# Altium PCB BaseBoard.PcbDoc (part 2 of 2)
Units mm, origin at the board's own origin, x right, y up, seen from the top; angles counter-clockwise.
Board outline 100 x 99.75 mm, 2 copper layers (Top Layer, Bottom Layer), stack 1.57 mm thick; 86 components, 105 nets, 319 pads, 782 vias.
Unrouted connection lines stored in the file: 3.
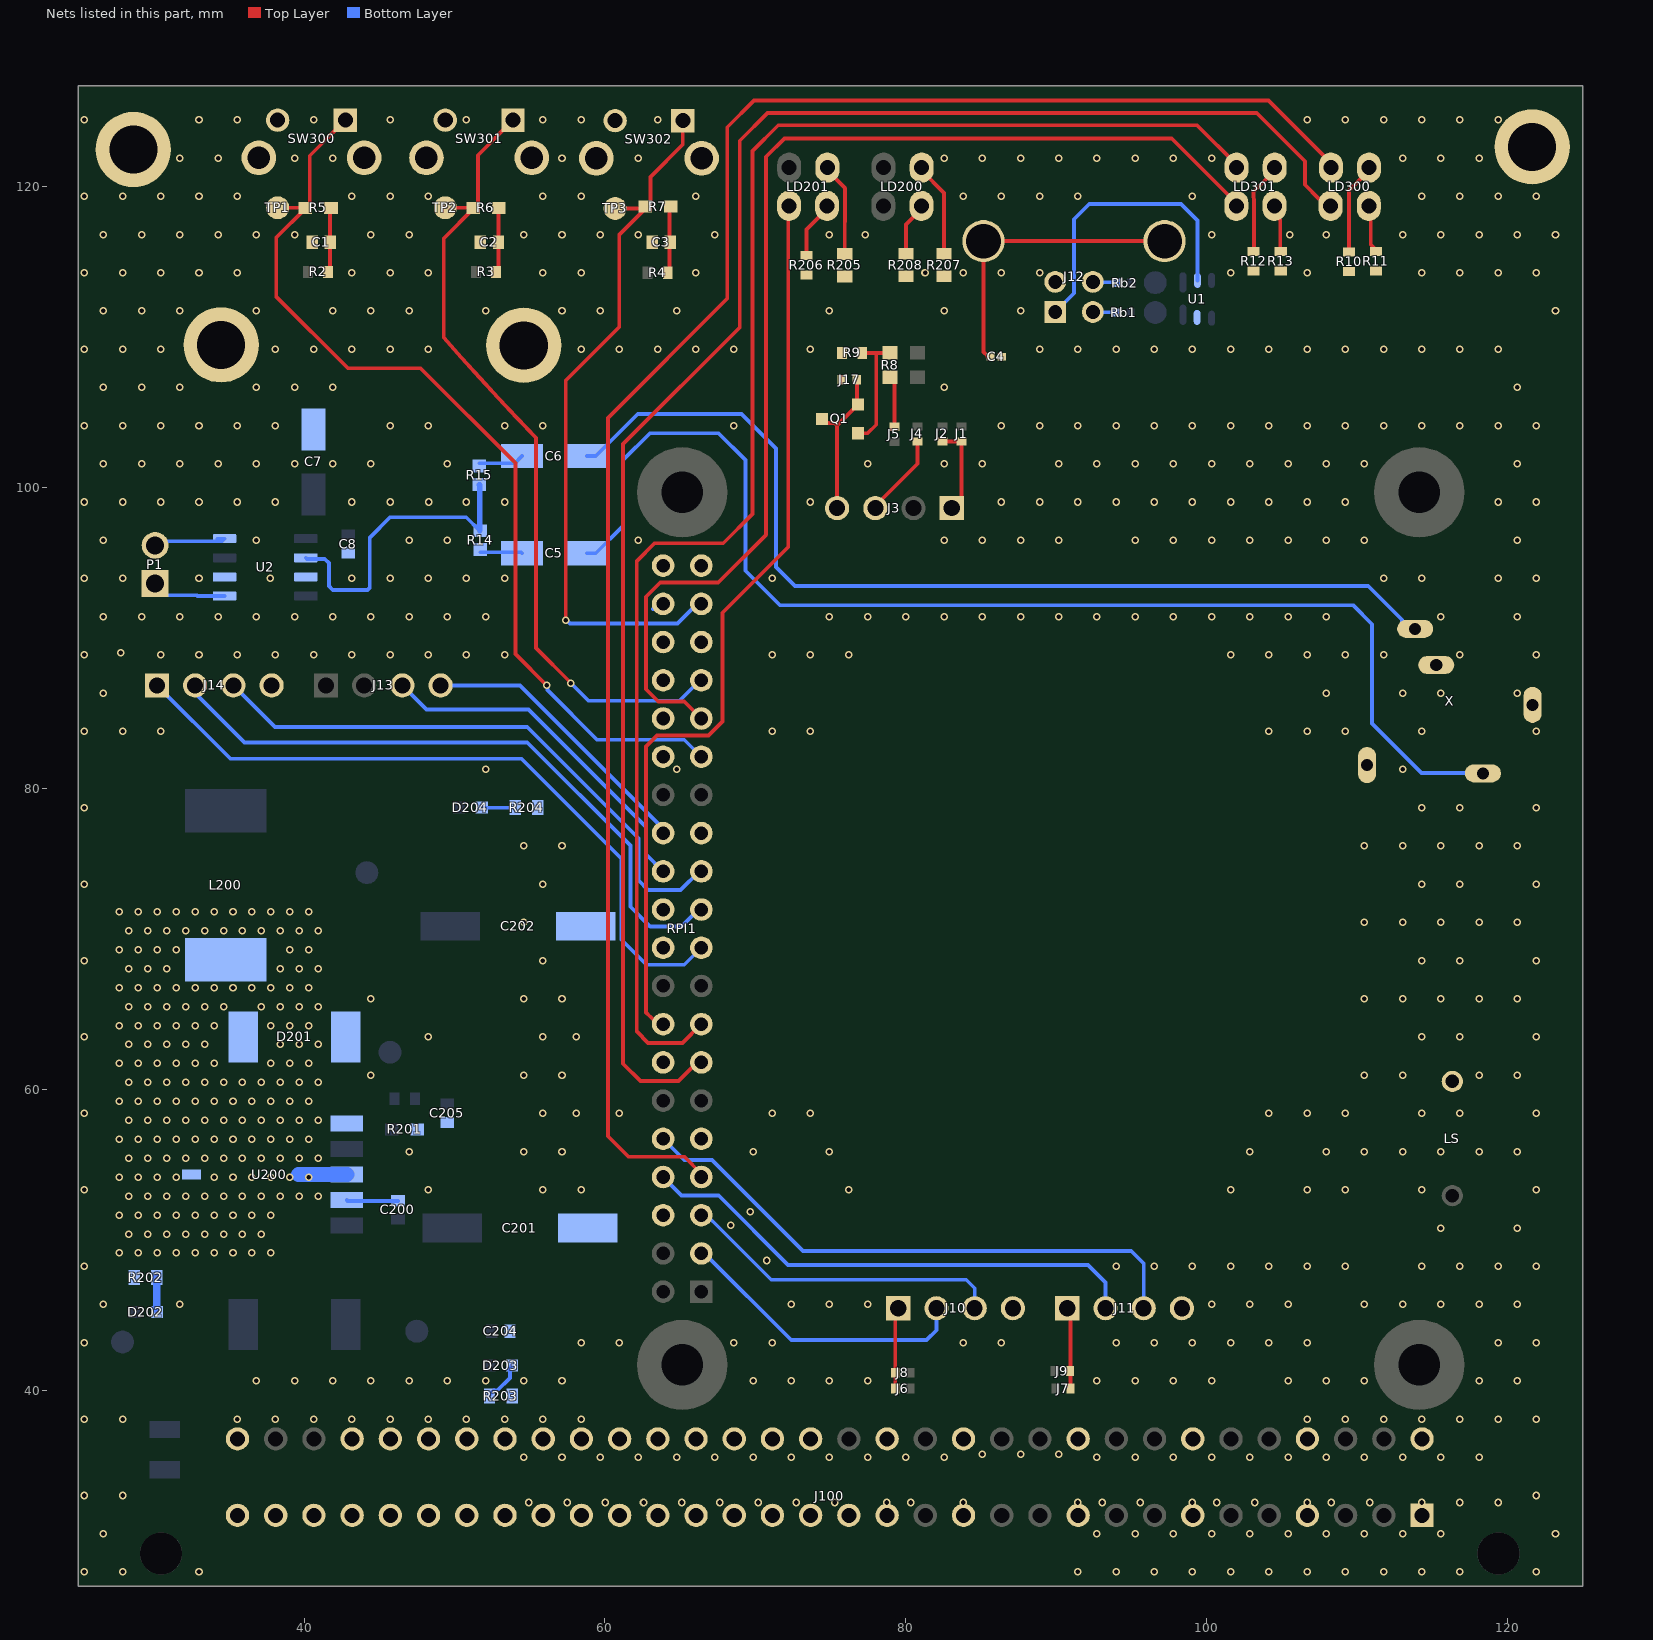
[diagram p2: the nets of this part, all layers, seen from the top]

## Via types
v1: diameter 0.5, hole 0.3, Top Layer to Bottom Layer, tented both sides, 782 vias

## Nets (pads, with @x,y where several pads share a name; then routed paths per layer and width w, separated by ;. In a path a pad name is that pad's centre, name@x,y a point inside that pad or via, vN(x,y) a via of type N, cw(c..) or ccw(c..) an arc to the next point about the centre after c; other vN are vias at no path point) (continued)
GND: C1.2 C2.2 C3.2 C4.1 C7.1 C8.2 C201.2 C202.2 C204.2 C205.2 D201.2 J10.4 J11.4 J12.4 J14.4 J17.1 J100.A1 J100.A4 J100.A7 J100.A10 J100.A13 J100.A15 J100.A32 J100.C1 J100.C4 J100.C7 J100.C10 J100.C13 J100.C15 J100.C32 LS.N pad.7 Q1.2 R9.1 R10.1 R11.1 R12.1 R13.1 R201.1 R202.1 R203.1 R204.1 R205.1 R206.1 R207.1 R208.1 RPI1.6 RPI1.9 RPI1.14 RPI1.20 RPI1.25 RPI1.30 RPI1.34 RPI1.39 SW300.2 SW300.3 SW300.4 SW301.2 SW301.3 SW301.4 SW302.2 SW302.3 SW302.4 U1.2 U2.3 U2.6 U200.1 X.1 X.4 X.5 | length 0.2
  Top Layer w0.254: R9.1@75.613,108.966 R9.1@75.75,108.829
  other v1: 25.4,27.94 27.94,27.94 33.02,27.94 91.44,27.94 93.98,27.94 96.52,27.94 99.06,27.94 101.6,27.94 104.14,27.94 106.68,27.94 109.22,27.94 111.76,27.94 114.3,27.94 116.84,27.94 121.92,27.94 26.67,30.48 92.71,30.48 95.25,30.48 97.79,30.48 100.33,30.48 102.87,30.48 105.41,30.48 107.95,30.48 110.49,30.48 113.03,30.48 115.57,30.48 123.19,30.48 54.948,32.554 57.488,32.554 60.028,32.554 62.568,32.554 65.108,32.554 67.648,32.554 70.188,32.554 72.728,32.554 75.268,32.554 78.74,32.554 80.348,32.554 83.82,32.554 91.44,32.554 93.048,32.554 95.588,32.554 99.06,32.554 100.668,32.554 103.208,32.554 106.68,32.554 108.288,32.554 110.828,32.554 114.3,32.554 116.84,32.554 119.38,32.554 25.4,33.02 27.94,33.02 121.92,33.02 54.61,35.56 57.15,35.56 59.69,35.56 62.23,35.56 64.77,35.56 67.31,35.56 69.85,35.56 72.39,35.56 74.93,35.56 77.47,35.56 80.01,35.56 82.55,35.56 92.71,35.56 95.25,35.56 97.79,35.56 100.33,35.56 102.87,35.56 105.41,35.56 107.95,35.56 110.49,35.56 113.03,35.56 115.57,35.56 118.11,35.56 85.09,35.746 87.63,35.746 90.17,35.746 25.4,38.1 27.94,38.1 35.56,38.1 38.1,38.1 40.64,38.1 43.18,38.1 45.72,38.1 48.26,38.1 50.8,38.1 53.34,38.1 55.88,38.1 58.42,38.1 106.68,38.1 109.22,38.1 111.76,38.1 114.3,38.1 116.84,38.1 119.38,38.1 121.92,38.1 36.83,40.64 39.37,40.64 41.91,40.64 44.45,40.64 46.99,40.64 49.53,40.64 52.07,40.64 54.61,40.64 57.15,40.64 69.85,40.64 72.39,40.64 74.93,40.64 77.47,40.64 92.71,40.64 95.25,40.64 97.79,40.64 100.33,40.64 105.41,40.64 107.95,40.64 110.49,40.64 118.11,40.64 120.65,40.64 25.4,43.18 58.42,43.18 60.96,43.18 68.58,43.18 71.12,43.18 83.82,43.18 86.36,43.18 93.98,43.18 96.52,43.18 99.06,43.18 101.6,43.18 104.14,43.18 106.68,43.18 119.38,43.18 121.92,43.18 26.67,45.72 31.75,45.72 72.39,45.72 74.93,45.72 77.47,45.72 100.33,45.72 102.87,45.72 105.41,45.72 110.49,45.72 113.03,45.72 115.57,45.72 118.11,45.72 120.65,45.72 25.4,48.26 93.98,48.26 96.52,48.26 99.06,48.26 101.6,48.26 104.14,48.26 106.68,48.26 109.22,48.26 114.3,48.26 116.84,48.26 119.38,48.26 121.92,48.26 70.764,48.641 115.57,50.8 120.65,50.8 68.351,50.978 69.672,51.867 25.4,53.34 48.26,53.34 55.88,53.34 58.42,53.34 76.2,53.34 101.6,53.34 106.68,53.34 109.22,53.34 114.3,53.34 121.92,53.34 46.99,55.88 54.61,55.88 57.15,55.88 69.85,55.88 74.93,55.88 102.87,55.88 107.95,55.88 110.49,55.88 113.03,55.88 115.57,55.88 118.11,55.88 120.65,55.88 25.4,58.42 55.88,58.42 58.094,58.42 60.96,58.42 71.12,58.42 73.66,58.42 104.14,58.42 106.68,58.42 109.22,58.42 114.3,58.42 116.84,58.42 121.92,58.42 44.45,60.96 54.61,60.96 57.15,60.96 110.49,60.96 113.03,60.96 118.11,60.96 120.65,60.96 25.4,63.5 48.26,63.5 55.88,63.5 58.094,63.5 114.3,63.5 116.84,63.5 121.92,63.5 44.45,66.04 54.61,66.04 57.15,66.04 110.49,66.04 113.03,66.04 115.57,66.04 118.11,66.04 120.65,66.04 25.4,68.58 55.88,68.58 114.3,68.58 116.84,68.58 121.92,68.58 54.61,71.12 110.49,71.12 113.03,71.12 115.57,71.12 118.11,71.12 120.65,71.12 25.4,73.66 55.88,73.66 114.3,73.66 116.84,73.66 121.92,73.66 54.61,76.2 57.15,76.2 110.49,76.2 113.03,76.2 115.57,76.2 118.11,76.2 120.65,76.2 25.4,78.74 114.3,78.74 116.84,78.74 121.92,78.74 52.07,81.28 64.77,81.28 113.03,81.28 25.4,83.82 27.94,83.82 30.48,83.82 71.12,83.82 73.66,83.82 104.14,83.82 106.68,83.82 109.22,83.82 114.3,83.82 121.92,83.82 26.67,86.36 107.95,86.36 113.03,86.36 115.57,86.36 120.65,86.36 25.4,88.9 30.48,88.9 33.02,88.9 35.56,88.9 38.1,88.9 40.64,88.9 43.18,88.9 45.72,88.9 48.26,88.9 50.8,88.9 53.34,88.9 71.12,88.9 73.66,88.9 76.2,88.9 101.6,88.9 104.14,88.9 106.68,88.9 109.22,88.9 111.76,88.9 116.84,88.9 121.92,88.9 27.811,89.029 26.67,91.44 29.21,91.44 31.75,91.44 34.29,91.44 36.83,91.44 39.37,91.44 41.91,91.44 44.45,91.44 46.99,91.44 49.53,91.44 52.07,91.44 74.93,91.44 77.47,91.44 80.01,91.44 82.55,91.44 85.09,91.44 87.63,91.44 90.17,91.44 92.71,91.44 95.25,91.44 97.79,91.44 100.33,91.44 102.87,91.44 105.41,91.44 107.95,91.44 115.57,91.44 120.65,91.44 25.4,93.98 27.94,93.98 33.02,93.98 37.748,93.98 43.18,93.98 45.72,93.98 48.26,93.98 50.8,93.98 53.34,93.98 71.12,93.98 111.76,93.98 114.3,93.98 119.38,93.98 121.92,93.98 26.67,96.52 36.83,96.52 46.99,96.52 49.53,96.52 62.23,96.52 82.55,96.52 85.09,96.52 87.63,96.52 90.17,96.52 95.25,96.52 97.79,96.52 100.33,96.52 102.87,96.52 105.41,96.52 107.95,96.52 110.49,96.52 120.65,96.52 25.4,99.06 27.94,99.06 30.48,99.06 33.02,99.06 35.56,99.06 38.1,99.06 43.18,99.06 45.72,99.06 48.296,99.06 50.8,99.06 53.34,99.06 73.66,99.06 86.36,99.06 88.9,99.06 91.44,99.06 93.98,99.06 96.52,99.06 99.06,99.06 101.6,99.06 104.14,99.06 106.68,99.06 109.22,99.06 119.38,99.06 121.92,99.06 26.67,101.6 29.21,101.6 31.75,101.6 34.29,101.6 36.83,101.6 39.37,101.6 41.91,101.6 44.45,101.6 49.53,101.6 77.47,101.6 82.55,101.6 85.09,101.6 90.17,101.6 92.71,101.6 95.25,101.6 97.79,101.6 100.33,101.6 102.87,101.6 105.41,101.6 107.95,101.6 110.49,101.6 120.65,101.6 25.4,104.14 27.94,104.14 30.48,104.14 33.02,104.14 35.56,104.14 38.1,104.14 45.72,104.14 48.26,104.14 53.34,104.14 55.88,104.14 68.58,104.14 86.36,104.14 88.9,104.14 91.44,104.14 93.98,104.14 96.52,104.14 99.06,104.14 101.6,104.14 104.14,104.14 106.68,104.14 109.22,104.14 111.76,104.14 114.3,104.14 116.84,104.14 119.38,104.14 121.92,104.14 26.67,106.68 29.21,106.68 31.75,106.68 36.83,106.68 39.37,106.68 41.91,106.68 82.55,106.68 120.65,106.68 25.4,109.22 27.94,109.22 30.48,109.22 38.1,109.22 40.64,109.22 43.18,109.22 45.72,109.22 48.26,109.22 58.42,109.22 60.96,109.22 63.5,109.22 66.04,109.22 68.58,109.22 73.66,109.22 88.9,109.22 91.44,109.22 93.98,109.22 96.52,109.22 99.06,109.22 101.6,109.22 104.14,109.22 106.68,109.22 109.22,109.22 111.76,109.22 114.3,109.22 116.84,109.22 119.38,109.22 26.67,111.76 29.21,111.76 31.75,111.76 36.83,111.76 41.91,111.76 44.45,111.76 46.99,111.76 52.07,111.76 57.15,111.76 59.69,111.76 64.77,111.76 74.93,111.76 82.55,111.76 87.63,111.76 123.19,111.76 25.4,114.3 27.94,114.3 30.48,114.3 33.02,114.3 35.56,114.3 43.18,114.3 45.72,114.3 48.26,114.3 55.88,114.3 58.42,114.3 66.04,114.3 81.28,114.3 83.82,114.3 86.36,114.3 88.9,114.3 101.6,114.3 106.68,114.3 114.3,114.3 116.84,114.3 119.38,114.3 121.92,114.3 26.67,116.84 29.21,116.84 31.75,116.84 34.29,116.84 36.83,116.84 39.37,116.84 44.45,116.84 46.99,116.84 54.61,116.84 57.15,116.84 59.69,116.84 62.23,116.84 67.31,116.84 74.93,116.84 77.322,116.84 100.33,116.84 105.522,116.84 107.95,116.84 113.03,116.84 115.57,116.84 118.11,116.84 120.65,116.84 123.19,116.84 25.4,119.38 27.94,119.38 30.48,119.38 33.02,119.38 35.56,119.38 43.18,119.38 45.72,119.38 48.26,119.38 55.88,119.38 58.42,119.38 66.04,119.38 83.82,119.38 86.36,119.38 88.9,119.38 91.44,119.38 99.06,119.38 114.3,119.38 116.84,119.38 119.38,119.38 121.92,119.38 31.75,121.92 34.29,121.92 39.37,121.92 41.91,121.92 57.15,121.92 62.23,121.92 82.55,121.92 85.09,121.92 87.63,121.92 90.17,121.92 92.71,121.92 95.25,121.92 97.79,121.92 100.33,121.92 113.03,121.92 115.57,121.92 118.11,121.92 25.4,124.46 33.02,124.46 35.56,124.46 40.64,124.46 45.72,124.46 50.8,124.46 55.88,124.46 58.42,124.46 63.5,124.46 106.68,124.46 109.22,124.46 111.76,124.46 114.3,124.46 116.84,124.46 119.38,124.46
GPIO12: RPI1.32
GPIO25: RPI1.22
GPIO_L_0: J100.A16
GPIO_L_1: J100.A17
GPIO_L_2: J100.A18
GPIO_L_3: J100.A19
GPIO_L_4: J100.A20
GPIO_L_5: J100.A21
GPIO_L_6: J100.A22
GPIO_L_7: J100.A23
GPIO_L_8: J100.A24
GPIO_L_9: J100.A25
GPIO_L_10: J100.A26
GPIO_L_11: J100.A27
GPIO_L_12: J100.A28
GPIO_L_13: J100.A29
GPIO_L_14: J100.A30
GPIO_L_15: J100.A31
GPIO_R_1: J100.C17
GPIO_R_2: J100.C18
GPIO_R_3: J100.C19
GPIO_R_4: J100.C20
GPIO_R_5: J100.C21
GPIO_R_6: J100.C22
GPIO_R_7: J100.C23
GPIO_R_8: J100.C24
GPIO_R_9: J100.C25
GPIO_R_10: J100.C26
GPIO_R_11: J100.C27
GPIO_R_12: J100.C28
GPIO_R_13: J100.C29
NetC1_1: C1.1 R2.1 R5.1 | length 4.3
  Top Layer w0.254: R5.1@41.693,118.618 41.732,118.579 R2.1@41.732,114.35
NetC2_1: C2.1 R3.2 R6.1 | length 4.3
  Top Layer w0.254: R6.1@52.794,118.618 R6.1@52.848,118.564 ; R3.2@52.899,114.35 52.924,114.375 C2.1@52.924,116.332 R6.1@52.924,118.564
NetC3_1: C3.1 R4.1 R7.1 | length 4.4
  Top Layer w0.254: R4.1@64.3,114.3 64.3,116.278 C3.1@64.354,116.332 64.3,116.386 R7.1@64.3,118.618
NetC4_2: C4.2 J12.5 J12.6 | length 19.8
  Top Layer w0.254: C4.2@85.414,108.712 85.414,108.787 85.166,109.035 J12.5@85.166,116.401 J12.6@97.206,116.401
NetC5_1: C5.1 X.2 | length 83
  Bottom Layer w0.254: C5.1@58.792,95.654 59.392,95.654 61.214,97.476 61.214,101.854 62.992,103.632 67.564,103.632 69.342,101.854 69.342,94.488 71.628,92.202 109.728,92.202 110.998,90.932 110.998,84.328 114.278,81.048 X.2@118.364,81.048
NetC5_2: C5.2 R14.1 | length 2.8
  Bottom Layer w0.254: R14.1@51.713,95.72 54.426,95.72 C5.2@54.492,95.654
NetC6_1: C6.1 X.3 | length 66.8
  Bottom Layer w0.254: C6.1@58.792,102.108 59.392,102.108 62.186,104.902 69.088,104.902 71.374,102.616 71.374,94.742 72.644,93.472 110.744,93.472 112.987,91.229 112.987,91.159 113.52,90.626 X.3@113.864,90.626
NetC6_2: C6.2 R15.1 | length 3
  Bottom Layer w0.254: R15.1@51.658,101.638 54.022,101.638 C6.2@54.492,102.108
NetC200_2: C200.2 U200.4 | length 3.4
  Bottom Layer w0.254: U200.4@42.847,52.656 42.897,52.606 C200.2@46.248,52.606
NetD201_1: D201.1 L200.1 U200.3 U200.3.1 | length 3.2
  Bottom Layer w1: 39.624,54.356 U200.3@42.847,54.356
  other v1: 27.72,49.14 28.98,49.14 30.24,49.14 31.5,49.14 32.76,49.14 34.02,49.14 35.28,49.14 36.54,49.14 37.8,49.14 28.35,50.4 29.61,50.4 30.87,50.4 32.13,50.4 33.39,50.4 34.65,50.4 35.91,50.4 37.17,50.4 27.72,51.66 28.98,51.66 30.24,51.66 31.5,51.66 32.76,51.66 34.02,51.66 35.28,51.66 36.54,51.66 37.8,51.66 28.35,52.92 29.61,52.92 30.87,52.92 32.13,52.92 33.39,52.92 34.65,52.92 35.91,52.92 37.17,52.92 38.43,52.92 39.69,52.92 40.95,52.92 27.72,54.18 28.98,54.18 30.24,54.18 31.5,54.18 34.02,54.18 35.28,54.18 36.54,54.18 37.8,54.18 39.06,54.18 40.32,54.18 28.35,55.44 29.61,55.44 30.87,55.44 32.13,55.44 33.39,55.44 34.65,55.44 35.91,55.44 37.17,55.44 38.43,55.44 39.69,55.44 40.95,55.44 27.72,56.7 28.98,56.7 30.24,56.7 31.5,56.7 32.76,56.7 34.02,56.7 35.28,56.7 36.54,56.7 37.8,56.7 39.06,56.7 40.32,56.7 28.35,57.96 29.61,57.96 30.87,57.96 32.13,57.96 33.39,57.96 34.65,57.96 35.91,57.96 37.17,57.96 38.43,57.96 39.69,57.96 40.95,57.96 27.72,59.22 28.98,59.22 30.24,59.22 31.5,59.22 32.76,59.22 34.02,59.22 35.28,59.22 36.54,59.22 37.8,59.22 39.06,59.22 40.32,59.22 28.35,60.48 29.61,60.48 30.87,60.48 32.13,60.48 33.39,60.48 34.65,60.48 35.91,60.48 37.17,60.48 38.43,60.48 39.69,60.48 40.95,60.48 27.72,61.74 28.98,61.74 30.24,61.74 31.5,61.74 32.76,61.74 34.02,61.74 37.8,61.74 39.06,61.74 40.32,61.74 28.35,63 29.61,63 30.87,63 32.13,63 33.39,63 38.43,63 39.69,63 40.95,63 27.72,64.26 28.98,64.26 30.24,64.26 31.5,64.26 32.76,64.26 34.02,64.26 37.8,64.26 39.06,64.26 40.32,64.26 28.35,65.52 29.61,65.52 30.87,65.52 32.13,65.52 33.39,65.52 34.65,65.52 37.17,65.52 38.43,65.52 39.69,65.52 40.95,65.52 27.72,66.78 28.98,66.78 30.24,66.78 31.5,66.78 32.76,66.78 34.02,66.78 35.28,66.78 36.54,66.78 37.8,66.78 39.06,66.78 40.32,66.78 28.35,68.04 29.61,68.04 30.87,68.04 38.43,68.04 39.69,68.04 40.95,68.04 27.72,69.3 28.98,69.3 30.24,69.3 31.5,69.3 39.06,69.3 40.32,69.3 28.35,70.56 29.61,70.56 30.87,70.56 32.13,70.56 33.39,70.56 34.65,70.56 35.91,70.56 37.17,70.56 38.43,70.56 39.69,70.56 40.95,70.56 27.72,71.82 28.98,71.82 30.24,71.82 31.5,71.82 32.76,71.82 34.02,71.82 35.28,71.82 36.54,71.82 37.8,71.82 39.06,71.82 40.32,71.82
NetD202_1: D202.1 R202.2 | length 2.3
  Bottom Layer w0.5: D202.1@30.226,45.362 R202.2@30.226,47.694
NetD203_1: D203.1 R203.2 | length 2.8
  Bottom Layer w0.254: R203.2@52.286,39.624 52.286,39.674 52.609,39.997 52.847,39.997 53.686,40.836 53.686,41.506 D203.1@53.836,41.656
NetD204_1: D204.1 R204.2 | length 2.2
  Bottom Layer w0.254: D204.1@51.816,78.74 R204.2@53.995,78.74
NetJ1_2: J1.2 J2.2 J3.1 | length 5.8
  Top Layer w0.254: J2.2@82.441,103.082 J1.2@83.711,103.082 J3.1@83.711,98.905 ; J3.1@83.058,98.651 J3.1@83.312,98.905
NetJ3_3: J3.3 J4.2 | length 5.6
  Top Layer w0.254: J3.3@77.978,98.651 77.978,98.806 80.772,101.6 J4.2@80.772,103.082
NetJ3_4: J3.4 J17.2 Q1.3 | length 10.6
  Top Layer w0.254: Q1.3@74.422,104.58 74.695,104.307 75.277,104.307 75.438,104.146 ; J3.4@75.273,98.816 J3.4@75.438,98.651 75.438,104.146 ; J17.2@76.75,107.188 76.75,105.602 76.822,105.53 75.438,104.146
NetJ5_2: J5.2 R8.2 | length 3.4
  Top Layer w0.254: R8.2@78.968,107.366 79.248,107.086 79.248,105.14 J5.2@79.248,104.065
NetJ6_1: J6.1 J8.1 J10.1 | length 5.5
  Top Layer w0.254: J6.1@79.306,40.132 J8.1@79.306,41.186 79.306,45.27 J10.1@79.502,45.466 J10.1@79.566,45.402
NetJ7_2: J7.2 J9.2 J11.1 | length 5.4
  Top Layer w0.254: J11.1@90.736,45.466 90.954,45.249 90.954,41.186 J7.2@90.954,40.132
NetJ12_1: J12.1 U1.5 | length 19.7
  Bottom Layer w0.254: J12.1@89.936,111.691 91.186,112.941 91.186,117.856 92.202,118.872 98.298,118.872 99.39,117.78 U1.5@99.39,113.792
NetLD200_2: LD200.2 R207.2 | length 6.3
  Top Layer w0.254: LD200.2@81.06,121.286 81.06,121.086 82.55,119.596 R207.2@82.55,115.608
NetLD200_4: LD200.4 R208.2 | length 3.6
  Top Layer w0.254: R208.2@80.01,115.608 80.026,115.624 80.026,116.55 80.01,116.566 80.01,117.513 81.043,118.546 LD200.4@81.043,118.746
NetLD201_2: LD201.2 R205.2 | length 6.2
  Top Layer w0.254: LD201.2@74.787,121.286 74.787,121.086 75.952,119.922 75.952,117.686 75.946,117.68 R205.2@75.946,115.608
NetLD201_4: LD201.4 R206.2 | length 3.7
  Top Layer w0.254: R206.2@73.406,115.608 73.406,117.181 74.771,118.546 LD201.4@74.771,118.746
NetLD300_2: LD300.2 R10.2 | length 6
  Top Layer w0.254: R10.2@109.474,115.862 109.474,119.763 110.797,121.086 LD300.2@110.797,121.286
NetLD300_4: LD300.4 R11.2 | length 3.1
  Top Layer w0.254: LD300.4@110.78,118.746 110.905,118.621 110.905,116.185 111.228,115.862 R11.2@111.278,115.862
NetLD301_2: LD301.2 R12.2 | length 6.2
  Top Layer w0.254: R12.2@103.124,115.712 103.153,115.885 103.153,118.532 ccw(c101.972,118.546) 103.153,118.533 ccw(c101.972,118.546) 103.153,118.546 103.153,118.946 ccw(c101.972,118.946) 103.151,119.015 103.124,119.475 103.124,119.686 103.198,119.76 104.524,121.086 LD301.2@104.524,121.286
NetLD301_4: LD301.4 R13.2 | length 3.1
  Top Layer w0.254: LD301.4@104.508,118.746 104.508,118.182 104.891,117.799 104.891,115.885 104.914,115.862 R13.2@104.928,115.862
NetP1_1: P1.1 U2.5 | length 5
  Bottom Layer w0.254: P1.1@30.106,93.633 30.872,92.867 32.863,92.867 32.919,92.811 U2.5@34.722,92.811
NetP1_2: P1.2 U2.8 | length 5.3
  Bottom Layer w0.254: P1.2@30.106,96.173 30.382,96.448 34.549,96.448 U2.8@34.722,96.621 U2.8@34.247,96.621
NetQ1_1: Q1.1 R8.1 R9.2 | length 8
  Top Layer w0.254: Q1.1@76.822,103.63 77.468,103.63 78.038,104.2 78.038,108.966 ; R9.2@77.213,108.966 78.038,108.966 ; R8.1@78.968,108.966 78.038,108.966
NetR14_2: R14.2 R15.2 U2.2 | length 20.7
  Bottom Layer w0.254: U2.2@40.122,95.351 40.197,95.276 41.376,95.276 41.656,94.996 41.656,93.472 41.91,93.218 44.227,93.218 44.376,93.367 44.376,96.7 45.72,98.044 50.789,98.044 51.66,97.173 R14.2@51.685,97.173
  Bottom Layer w0.381: R15.2@51.658,100.212 51.685,100.185 R14.2@51.685,97.173
"ON/OFF BTN": R5.2 RPI1.29 SW300.1 TP1.1 | length 64
  Top Layer w0.254: TP1.1@38.25,118.618 R5.2@40.095,118.618 ; SW300.1@42.75,124.442 40.386,122.078 40.386,118.911 R5.2@40.095,118.618 ; v1(56.134,86.868) 54.053,88.949 54.053,101.649 47.752,107.95 42.926,107.95 38.15,112.726 38.15,116.625 40.093,118.568 R5.2@40.095,118.618
  Bottom Layer w0.254: v1(56.134,86.868) 56.181,86.821 56.181,86.567 59.487,83.261 65.279,83.261 RPI1.29@66.41,82.13
"ON/OFF LED": LD201.3 RPI1.16 | length 61
  Top Layer w0.254: RPI1.16@63.87,64.35 63.533,64.35 63.039,64.843 63.02,64.843 62.739,65.125 62.739,82.805 63.473,83.539 66.878,83.539 67.818,84.479 67.818,91.694 72.191,96.067 72.191,118.702 LD201.3@72.235,118.746
SCL: J10.3 RPI1.5 | length 21.5
  Bottom Layer w0.254: RPI1.5@66.41,51.65 66.747,51.65 67.114,51.283 67.135,51.283 71.055,47.363 84.018,47.363 84.582,46.799 J10.3@84.582,45.466
SDA: J10.2 RPI1.3 | length 19.8
  Bottom Layer w0.254: RPI1.3@66.41,49.11 66.633,49.11 72.392,43.351 81.39,43.351 82.042,44.003 J10.2@82.042,45.466
"SPI0 CS0": J13.3 RPI1.24 | length 23.5
  Bottom Layer w0.254: J13.3@46.54,86.868 48.14,85.268 54.918,85.268 62.738,77.447 62.738,75.642 RPI1.24@63.87,74.51
"SPI0 CS1": J13.4 RPI1.26 | length 19
  Bottom Layer w0.254: J13.4@49.08,86.868 54.356,86.868 63.87,77.354 RPI1.26@63.87,77.05
"SPI0 MISO": J14.2 RPI1.21 | length 43.4
  Bottom Layer w0.254: J14.2@32.766,86.868 33.025,86.609 33.025,86.102 36.043,83.083 54.837,83.083 61.697,76.223 61.697,72.153 63.011,70.839 65.092,70.839 66.223,71.97 RPI1.21@66.41,71.97
"SPI0 MOSI": J14.1 RPI1.19 | length 47.5
  Bottom Layer w0.254: J14.1@30.226,86.868 35.103,81.991 54.458,81.991 61.087,75.362 61.087,69.977 62.765,68.299 65.279,68.299 RPI1.19@66.41,69.43
"SPI0 SCLK": J14.3 RPI1.23 | length 38.9
  Bottom Layer w0.254: J14.3@35.306,86.868 38.075,84.099 54.839,84.099 62.23,76.708 62.23,73.914 62.876,73.268 65.03,73.268 66.272,74.51 RPI1.23@66.41,74.51
"SPI1 CS0": RPI1.36
"SPI1 MISO": RPI1.35 | length 0.3
  Bottom Layer w0.254: RPI1.35@66.22,89.56 RPI1.35@66.41,89.75
"SPI1 MOSI": RPI1.38 | length 0.8
  Bottom Layer w0.254: 63.191,91.948 63.533,92.29 RPI1.38@63.87,92.29
"SPI1 SCLK": RPI1.40 | length 0.6
  Bottom Layer w0.254: RPI1.40@63.588,94.548 63.588,94.83 RPI1.40@63.87,94.83
"UART RX": J11.3 RPI1.10 | length 38.4
  Bottom Layer w0.254: RPI1.10@63.87,56.73 65.279,55.321 67.131,55.321 73.177,49.275 94.99,49.275 95.816,48.449 J11.3@95.816,45.466
"UART TX": J11.2 RPI1.8 | length 34
  Bottom Layer w0.254: RPI1.8@63.87,54.19 65.103,52.958 67.565,52.958 72.171,48.352 92.11,48.352 93.276,47.186 J11.2@93.276,45.466
UPin_IN_N: J12.2 Rb1.1 | length 1.6
  Bottom Layer w0.254: J12.2@92.436,111.691 92.452,111.675 94.021,111.675 Rb1.1@94.037,111.659
UPin_IN_P: J12.3 Rb2.1 | length 1.7
  Bottom Layer w0.254: J12.3@92.436,113.691 92.461,113.666 94.067,113.666 Rb2.1@94.092,113.64
USER_BUTTON_1: R6.2 RPI1.33 SW301.1 TP2.1 | length 54.3
  Top Layer w0.254: TP2.1@49.39,118.618 R6.2@51.27,118.618 ; SW301.1@53.89,124.442 51.562,122.114 51.562,118.91 R6.2@51.27,118.618 ; v1(57.734,87.02) 57.734,87.046 55.419,89.361 55.419,103.329 cw(c171.127,215.613) 49.288,110.013 49.288,110.108 49.288,116.586 51.27,118.568 R6.2@51.27,118.618
  Bottom Layer w0.254: v1(57.734,87.02) 57.734,87.019 58.908,85.845 64.96,85.845 66.325,87.21 RPI1.33@66.41,87.21
USER_BUTTON_2: R7.2 RPI1.37 SW302.1 TP3.1 | length 48.1
  Top Layer w0.254: v1(57.404,91.186) 57.404,107.147 60.96,110.703 60.96,116.84 60.972,116.84 62.7,118.568 62.7,118.618 63.023,118.941 63.023,120.668 65.18,122.825 SW302.1@65.18,124.409 ; TP3.1@60.68,118.575 R7.2@62.657,118.575
  Bottom Layer w0.254: v1(57.404,91.186) 57.471,91.186 57.674,90.983 64.821,90.983 66.128,92.29 RPI1.37@66.41,92.29
USER_LED_1: LD300.1 RPI1.7 | length 120.7
  Top Layer w0.254: RPI1.7@66.41,54.19 66.41,54.408 65.283,55.535 61.559,55.535 60.198,56.896 60.198,104.648 68.137,112.587 68.137,123.973 69.909,125.744 104.105,125.744 108.261,121.588 LD300.1@108.261,121.286
USER_LED_2: LD300.3 RPI1.13 | length 114.3
  Top Layer w0.254: RPI1.13@66.41,61.81 66.128,61.81 64.887,60.569 62.367,60.569 61.214,61.722 61.214,102.908 68.97,110.664 68.97,123.072 70.811,124.913 103.335,124.913 106.533,121.715 106.533,120.151 107.48,119.204 107.787,119.204 LD300.3@108.244,118.746
USER_LED_3: LD301.1 RPI1.15 | length 103.9
  Top Layer w0.254: RPI1.15@66.41,64.35 65.167,63.107 62.877,63.107 62.124,63.86 62.124,95.144 63.299,96.319 67.871,96.319 69.822,98.27 69.822,122.4 71.529,124.107 99.367,124.107 101.988,121.486 LD301.1@101.988,121.286
  Bottom Layer w0.254: LD301.1@101.988,121.286 LD301.1@101.988,121.532
USER_LED_4: LD301.3 RPI1.31 | length 79.2
  Top Layer w0.254: RPI1.31@66.41,84.67 65.279,85.801 63.549,85.801 62.739,86.611 62.739,92.758 63.68,93.699 67.537,93.699 70.716,96.878 70.716,122.014 71.933,123.232 97.686,123.232 101.972,118.946 LD301.3@101.972,118.746
pads on no net: J100. J100.A2 J100.A3 J100.A5 J100.A6 J100.A8 J100.A9 J100.C16 RPI1.27 RPI1.28 U1.1 U1.6 U2.4 U2.7

## Polygon pours and split planes (outlines as drawn)
GND on Bottom Layer "NONET_L01_P-001" (solid, remove dead copper, pour order 16): 25.06,126.714 25.016,126.67 25.016,26.997 125.005,26.997 125.001,27.001 125.001,126.75
+12 on Bottom Layer "NONET_L01_P-001" (solid, pour order 9): 50.8,51.788 50.8,42.164 39.624,42.164 39.624,51.788
12V_UNPROTECTED on Bottom Layer "NONET_L01_P-001" (solid, pour order 1): 29.718,35.052 29.718,32.481 31.202,30.997 32.972,32.766 33.02,32.766 31.75,34.036 31.75,35.052
12V_UNPROTECTED on Bottom Layer "NONET_L01_P-001" (solid, pour order 3): 85.09,33.013 85.09,27.432 90.028,27.432 90.429,27.833 90.429,33.026
NetD201_1 on Bottom Layer "NONET_L01_P-001" (solid, pour order 15): 26.67,72.898 26.67,48.514 38.608,48.514 38.608,52.578 41.402,52.578 41.402,72.898
5v on Bottom Layer "NONET_L01_P-001" (solid, pour order 13): 26.67,81.28 26.67,73.152 41.656,73.152 41.656,67.564 50.8,67.564 50.8,81.28
12V_FUSED on Bottom Layer "NONET_L01_P-001" (solid, pour order 6): 29.718,36.322 31.75,36.322 31.75,39.116 34.798,42.164 38.1,42.164 38.1,46.736 34.544,46.736 29.718,41.91
GND on Top Layer "NONET_L01_P-001" (solid, pour order 14): 24.892,126.746 124.968,126.746 124.968,26.924 24.892,26.924
5v on Top Layer "NONET_L01_P-001" (solid, pour order 12): 65.024,50.546 65.278,50.292 65.278,45.466 49.276,45.466 49.276,67.564 44.704,67.564 44.704,77.47 53.34,77.47 53.34,50.546
NetD201_1 on Top Layer "NONET_L01_P-001" (solid, pour order 8): 41.402,72.898 41.402,52.578 38.608,52.578 38.608,48.514 26.67,48.514 26.67,72.898

## Other copper
Top Layer:
  pour cut-out: 117.467,29.174 ccw(c119.407,29.174) 119.407,27.234 ccw(c119.407,29.174) 121.347,29.174 ccw(c119.407,29.174) 119.407,31.114 ccw(c119.407,29.174)
  pour cut-out: 28.56,29.16 ccw(c30.5,29.16) 30.5,27.22 ccw(c30.5,29.16) 32.44,29.16 ccw(c30.5,29.16) 30.5,31.1 ccw(c30.5,29.16)
Bottom Layer:
  pour cut-out: 32.4,29.204 cw(c30.46,29.204) 30.46,27.264 cw(c30.46,29.204) 28.52,29.204 cw(c30.46,29.204) 30.46,31.144 cw(c30.46,29.204)
  pour cut-out: 121.375,29.134 cw(c119.435,29.134) 119.435,27.194 cw(c119.435,29.134) 117.495,29.134 cw(c119.435,29.134) 119.435,31.074 cw(c119.435,29.134)
  pour cut-out: 30.226,86.868 35.103,81.991 54.458,81.991 61.087,75.362 63.373,77.648 59.436,81.991 59.626,83.4 56.158,86.868 35.306,86.868

## Silkscreen, mask and mechanical layers (free items; w line width, h text height)
Top Overlay:
  circle w0.254: c68.91,106.324 r1.27
  circle w0.254: c65.862,106.324 r1.27
  circle w0.254: c65.862,109.88 r1.27
  circle w0.254: c62.814,109.88 r1.27
  circle w0.254: c62.814,106.324 r1.27
  circle w0.254: c59.766,106.324 r1.27
  circle w0.254: c59.766,109.88 r1.27
  circle w0.254: c68.91,109.88 r1.27
  circle w0.254: c26.797,109.677 r0.359
  circle w0.254: c30.353,109.677 r0.359
  circle w0.254: c28.575,108.153 r1.626
  circle w0.254: c30.353,106.629 r0.359
  circle w0.254: c26.797,106.629 r0.359
  circle w0.254: c47.625,108.026 r1.626
  circle w0.254: c49.403,109.55 r0.359
  circle w0.254: c49.403,106.502 r0.359
  circle w0.254: c45.847,106.502 r0.359
  circle w0.254: c45.847,109.55 r0.359
  circle w0.254: c41.783,108.026 r1.626
  circle w0.254: c43.561,109.55 r0.359
  circle w0.254: c43.561,106.502 r0.359
  circle w0.254: c40.005,106.502 r0.359
  circle w0.254: c40.005,109.55 r0.359
  lines w0.254: 25.654,103.988 71.958,103.988 71.958,104.013 ; 25.654,112.776 123.952,112.776 ; 29.972,78.74 29.972,78.232 49.276,78.232 49.276,78.74 ; 35.357,41.529 59.36,41.529 ; 70.358,42.418 77.724,42.418 77.216,41.91 ; 79.045,105.943 79.045,106.248 79.096,106.299 80.924,106.299 80.924,106.274 80.924,105.943 ; 82.525,105.918 82.525,106.248 82.55,106.274 84.328,106.274 84.353,106.248 84.353,105.943 ; 82.804,39.878 83.82,39.878 ; 82.804,41.402 84.074,41.402 ; 85.192,102.616 85.192,103.454 86.893,101.752 ; 86.284,105.664 95.098,105.664 98.323,108.89 97.46,108.89 ; 86.36,41.402 87.376,41.402 ; 86.487,103.732 85.599,103.732 87.541,101.79 ; 86.614,39.878 87.376,39.878 ; 92.71,41.148 92.202,41.656 92.202,40.132 93.472,38.862 99.314,38.862 ; 99.187,110.744 99.187,103.632 111.379,103.632 111.379,110.744 ; 86.97,95.809 86.97,93.751 103.683,93.751 103.683,95.809 ; 86.97,95.809 86.97,99.365 103.683,99.365 103.683,95.809 ; 86.97,95.809 103.683,95.809 ; 26.035,105.867 26.035,110.439 31.115,110.439 31.115,105.867 26.035,105.867 ; 39.243,105.74 44.323,105.74 44.323,110.312 39.243,110.312 39.243,105.74 ; 45.085,105.74 50.165,105.74 50.165,110.312 45.085,110.312 45.085,105.74 ; 58.496,104.546 58.496,111.658 61.036,111.658 61.036,104.546 58.496,104.546 ; 61.544,104.546 64.084,104.546 64.084,111.658 61.544,111.658 61.544,104.546 ; 64.592,104.546 64.592,111.658 67.132,111.658 67.132,104.546 64.592,104.546 ; 67.64,104.546 67.64,111.658 70.18,111.658 70.18,104.546 67.64,104.546 ; 68.58,50.283 109.22,50.283 109.22,91.44 68.58,91.44 68.58,50.283
  text "FRONT PANEL" at 39.497,111.074 h1
  text "12v" at 61.923,109.552 h0.7
  text "ON" at 59.117,109.515 h0.8
  text "6" at 65.539,109.529 h0.8
  text "27" at 68.278,109.473 h0.8
  text "CAUTION" at 99.187,108.712 h2
  text "5" at 28.284,107.722 h0.8
  text "26" at 46.975,107.661 h0.8
  text "13" at 41.127,107.614 h0.8
  text "SOLDER ONLY" at 99.76,107.255 h1
  text "5v" at 59.117,105.959 h0.8
  text "22" at 65.244,105.968 h0.8
  text "12v" at 62.053,105.942 h0.7
  text "4" at 68.671,105.942 h0.8
  text "ONE JUMPER" at 99.76,105.731 h1
  text "ON/OFF" at 26.322,104.491 h0.8
  text "USR BTN" at 39.497,104.47 h0.7
  text "USR BTN" at 45.085,104.47 h0.7
  text "IN GROUP" at 99.76,104.207 h1
  text "CPU FAN CONFIG" at 87.325,100 h1.2
  text "J4 - FAN PWM PIN" at 87.998,97.939 h0.8
  text "J5 - VCC PWM (3 pin)" at 87.935,96.329 h0.8
  text "J1 - 12v" at 88.036,94.412 h0.8
  text "J2 - 5v" at 97.003,94.386 h0.8
  text "CPU FAN" at 74.041,93.396 h1.52
  text "GPIO18" at 80.035,92.126 h0.8
  text "3v3" at 41.852,79.311 h1 r90
  text "5v" at 44.476,79.311 h1 r90
  text "CS0" at 47.101,79.311 h1 r90
  text "CS1" at 49.726,79.311 h1 r90
  text "MOSI" at 30.48,79.248 h1 r90
  text "MISO" at 33.105,79.248 h1 r90
  text "SCLK" at 35.729,79.248 h1 r90
  text "GND" at 38.354,79.248 h1 r90
  text "SPI 0" at 30.226,76.2 h1.52
  text "BUZZER" at 111.252,67.564 h1.52
  text "GPIO 17" at 111.252,65.786 h1
  text "GND" at 75.824,43.199 h0.8 r90
  text "VCC" at 71.374,43.18 h0.8 r90
  text "SDA" at 72.898,43.18 h0.8 r90
  text "SCL" at 74.422,43.18 h0.8 r90
  text "UART" at 101.6,42.672 h1.52 r90
  text "Ariadna" at 35.611,41.977 h8
  text "5v" at 84.521,40.987 h0.8
  text "IIC" at 71.374,40.132 h1.52
  text "3v3" at 84.136,39.561 h0.8
  text "GND" at 99.192,39.389 h0.8 r90
  text "VCC" at 94.742,39.37 h0.8 r90
  text "TX" at 96.266,39.37 h0.8 r90
  text "RX" at 97.79,39.37 h0.8 r90
  text "MODULAR SYSTEM" at 34.976,39.27 h3.2
  text "VOLTAGE SEL" at 80.95,38.176 h0.8
Bottom Overlay:
  circle w0.254: c90.297,105.435 r0.424
  lines w0.254: 25.654,112.776 87.376,112.776 ; 47.498,62.992 46.99,62.484 49.276,62.484 ; 47.752,76.962 56.896,76.962 ; 51.308,91.186 50.8,91.186 51.308,90.678 60.96,90.678 ; 89.736,106.933 89.336,106.933 89.336,102.111 95.682,102.111 ; 95.682,101.702 89.336,101.702 89.336,99.39 105.537,99.39 ; 105.537,98.831 89.367,98.831 89.367,94.056 108.458,94.056 108.458,98.958 107.696,98.958 ; 107.708,99.394 108.436,99.394 108.436,101.683 108.436,101.869 107.853,101.869 ; 107.848,102.242 108.436,102.242 108.436,106.933 107.936,106.933 ; 120.904,112.776 123.698,112.776 ; 56.896,76.962 45.212,76.962 45.212,81.788 49.276,81.788 56.896,81.788 56.896,76.962 ; 44.196,38.354 58.928,38.354 58.928,42.672 44.196,42.672 44.196,38.354
  text "D+" at 104.14,113.538 h1
  text "D-" at 104.14,110.744 h1
  text "ARIADNA MODULAR SYSTEM" at 107.496,106.524 h0.8
  text "RPI CARRIER" at 107.442,104.673 h0.8
  text "B: N/A  PRJ: REV A" at 107.442,103.149 h0.8
  text "SPK" at 32.004,101.6 h1.52
  text "Project Author:" at 107.366,101.613 h0.8
  text "ARTEM HORIUNOV" at 107.34,100.203 h0.8
  text "OUT" at 32.004,99.314 h1.52
  text "QC" at 107.315,98.831 h0.8
  text ".ModifiedDate" at 107.48,92.078 h1.52
  text "Volume" at 60.96,88.392 h1.52
  text "Control" at 60.96,86.36 h1.52
  text "AUDIO" at 123.19,77.978 h1.52
  text "5v" at 48.26,77.724 h1.52
  text "INPUT" at 123.19,75.692 h1.52
  text "5v" at 45.974,71.628 h1.52
  text "FB" at 52.578,61.722 h1.52
  text "12v" at 49.276,39.878 h1.52
Top Solder:
  region: 26.924,73.152 26.416,72.644 26.416,48.768 26.924,48.26 38.354,48.26 38.862,48.768 38.862,52.324 41.148,52.324 41.656,52.832 41.656,72.644 41.148,73.152
Mechanical 1:
  lines w0.025: 25,27 125,27
Board Shape:
  circle w0.013: c104.931,86.719 r1.65
  circle w0.013: c104.931,54.719 r1.65
  circle w0.013: c104.931,86.719 r1.65
  circle w0.013: c104.931,54.719 r1.65
  circle w0.013: c72.931,86.719 r1.65
  circle w0.013: c72.931,54.719 r1.65
  circle w0.013: c72.931,54.719 r1.65
  circle w0.013: c72.931,86.719 r1.65
  lines w0.013: 68.931,60.719 cw(c68.931,50.719) 78.931,50.719 98.931,50.719 cw(c108.931,50.719) 108.931,60.719 108.931,80.719 cw(c108.931,90.719) 98.931,90.719 78.931,90.719 cw(c68.931,90.719) 68.931,80.719 68.931,60.719

## Text inside footprints (layer, text, board x,y; h text height)
LS: Top Overlay "+" at 116.904,49.081 h1.27 r90; Top Overlay "-" at 116.904,63.346 h1.27 r90